# Altium PCB BRD110731.PcbDoc
Units mil, origin at the board's own origin, x right, y up, seen from the top; angles counter-clockwise.
Board outline 2710.03 x 2110.03 mil, 2 copper layers (Top Layer, Bottom Layer), stack 65.792 mil thick; 71 components, 69 nets, 226 pads, 42 vias.
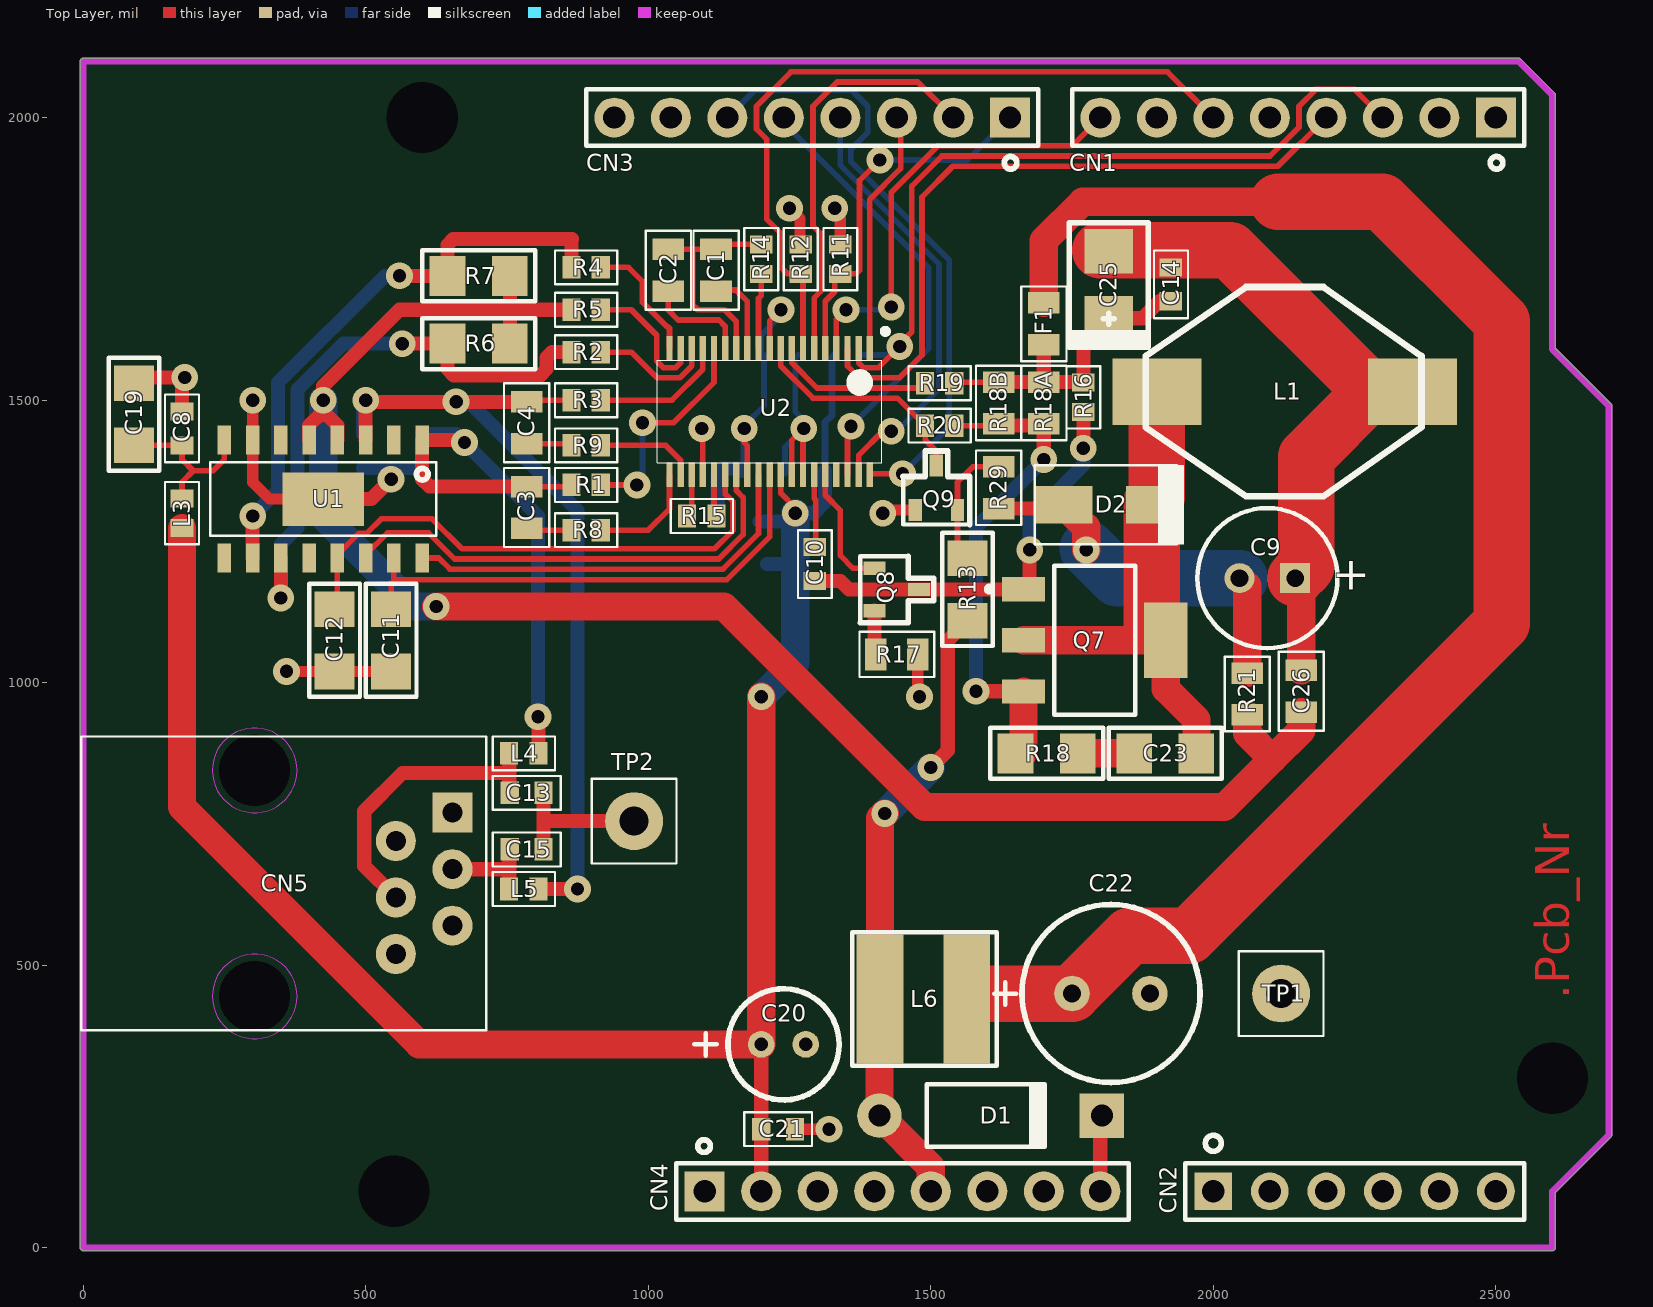
[diagram p0: Top Layer view]
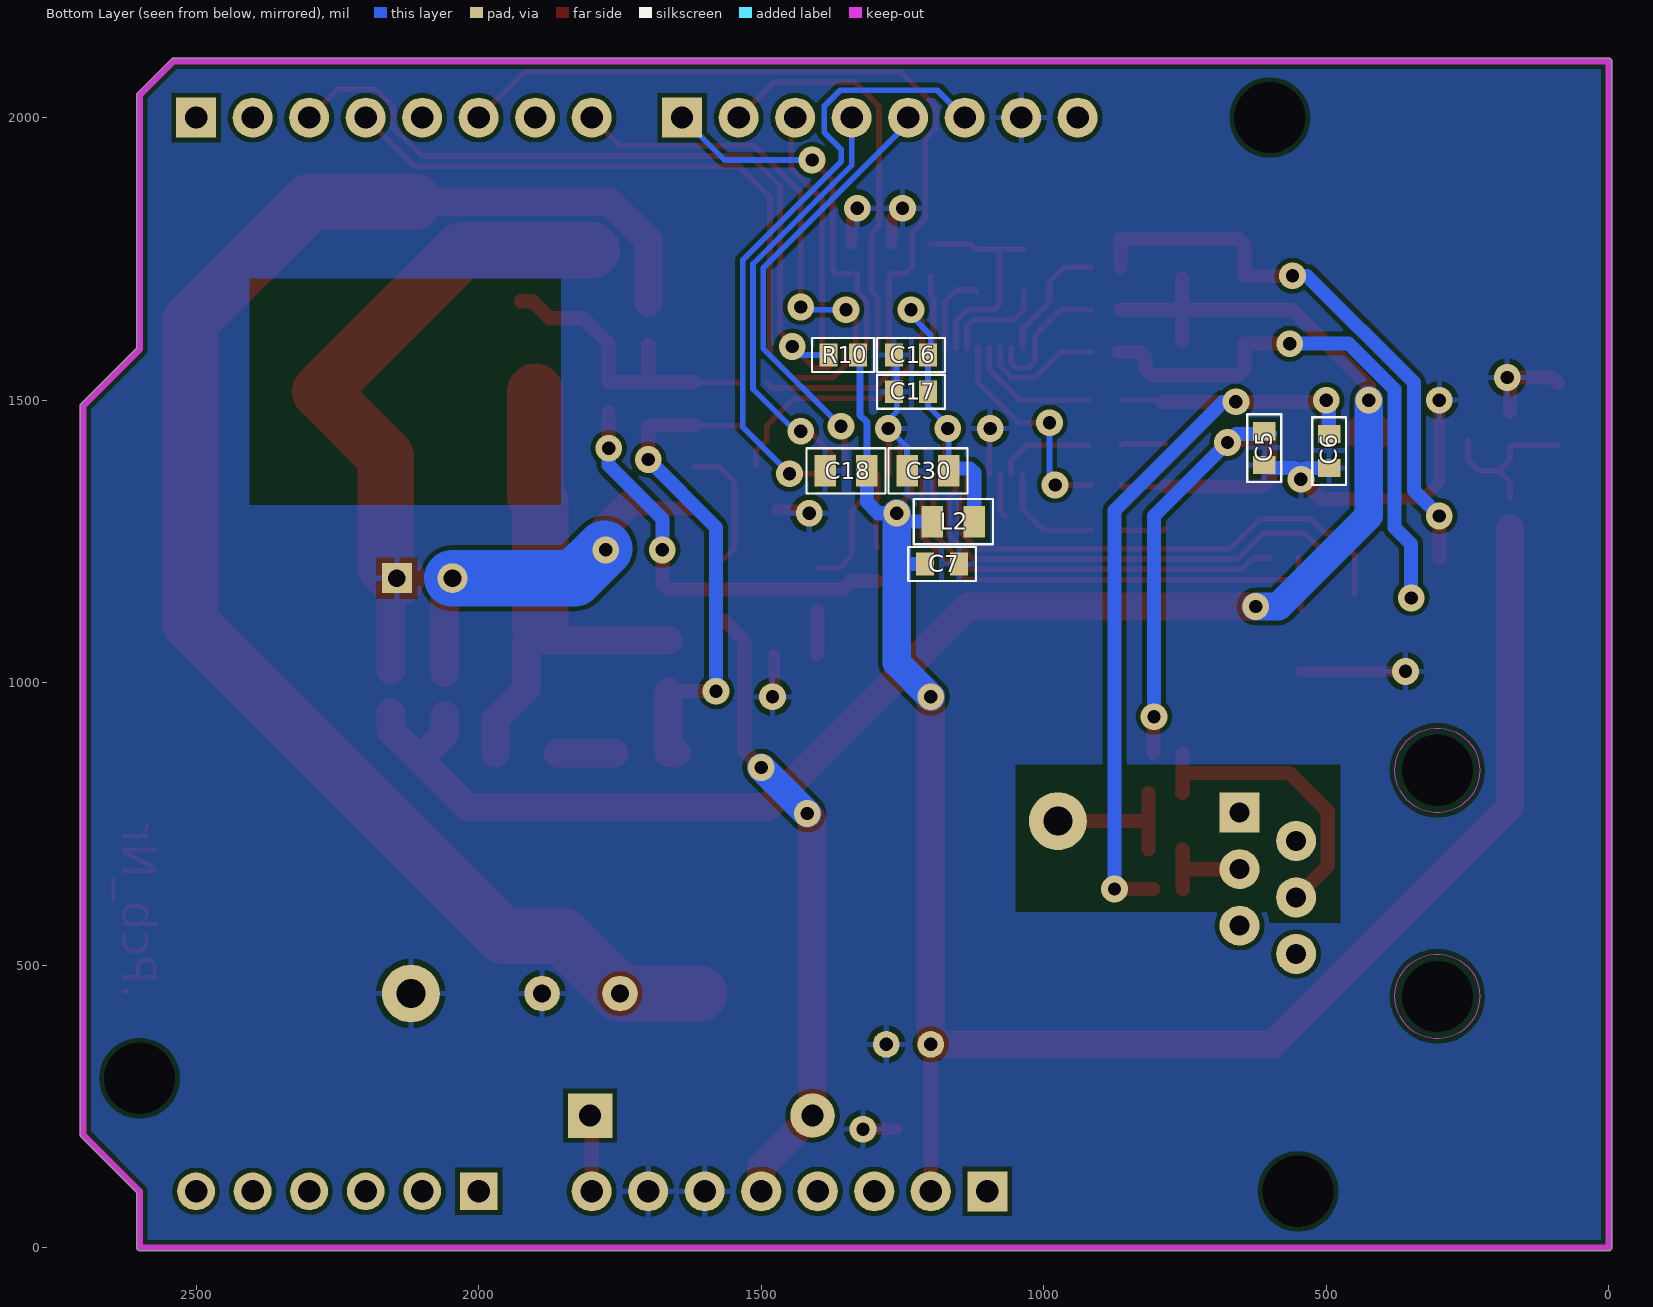
[diagram p1: Bottom Layer view, seen from below]
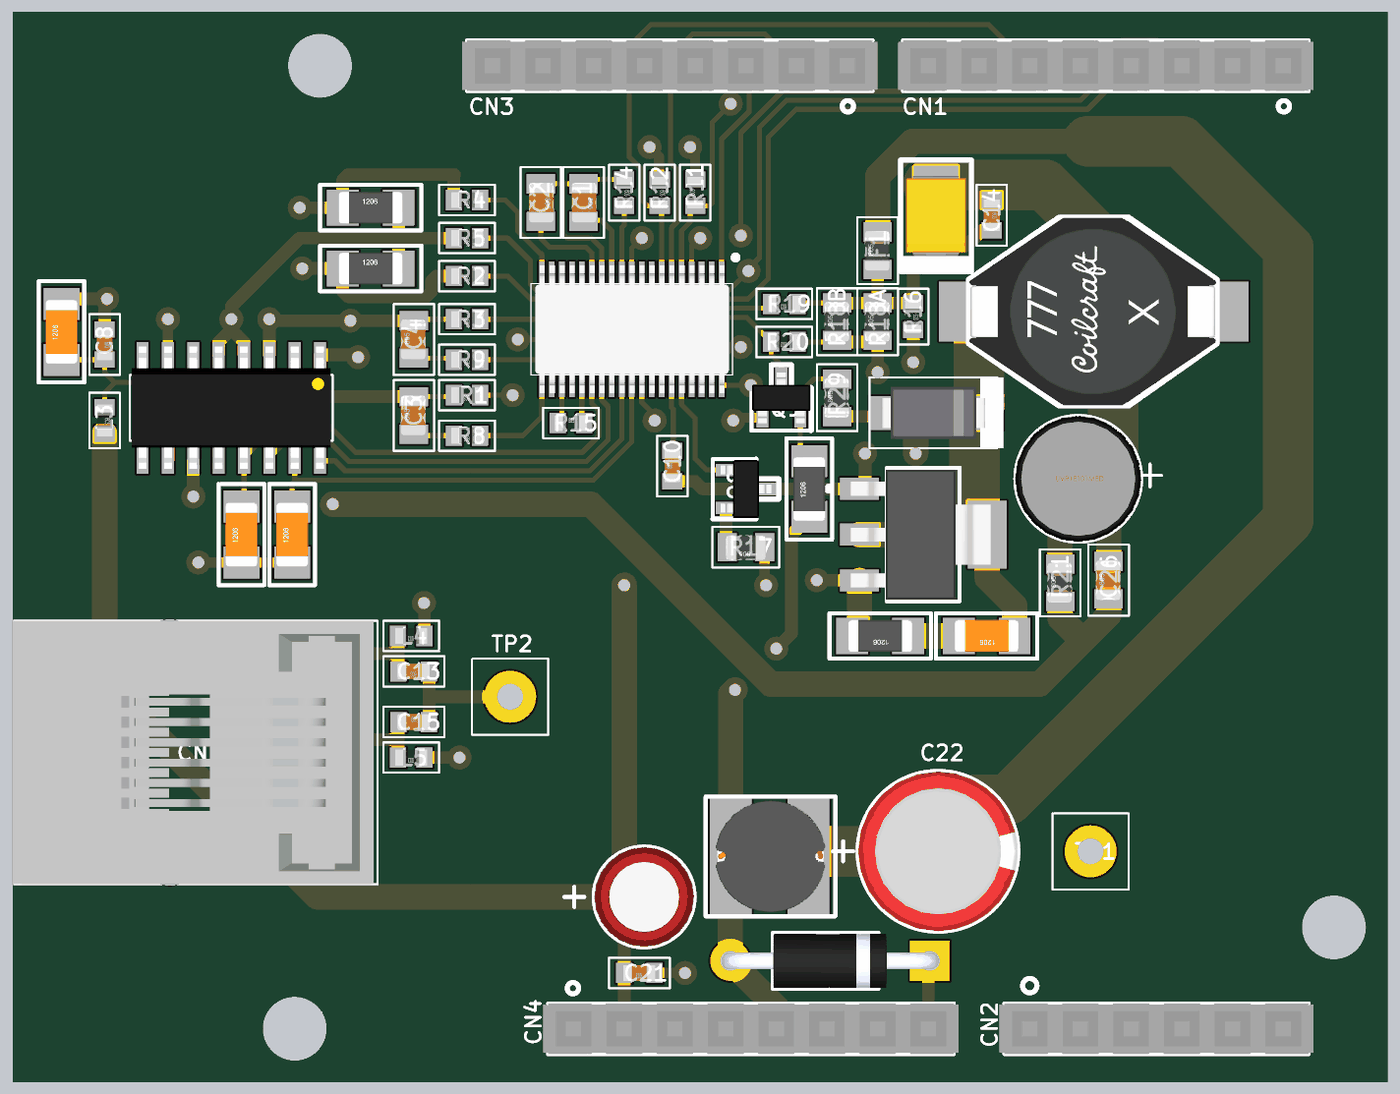
[diagram p2: 3D render of the assembled board from above, using the file's embedded part models]
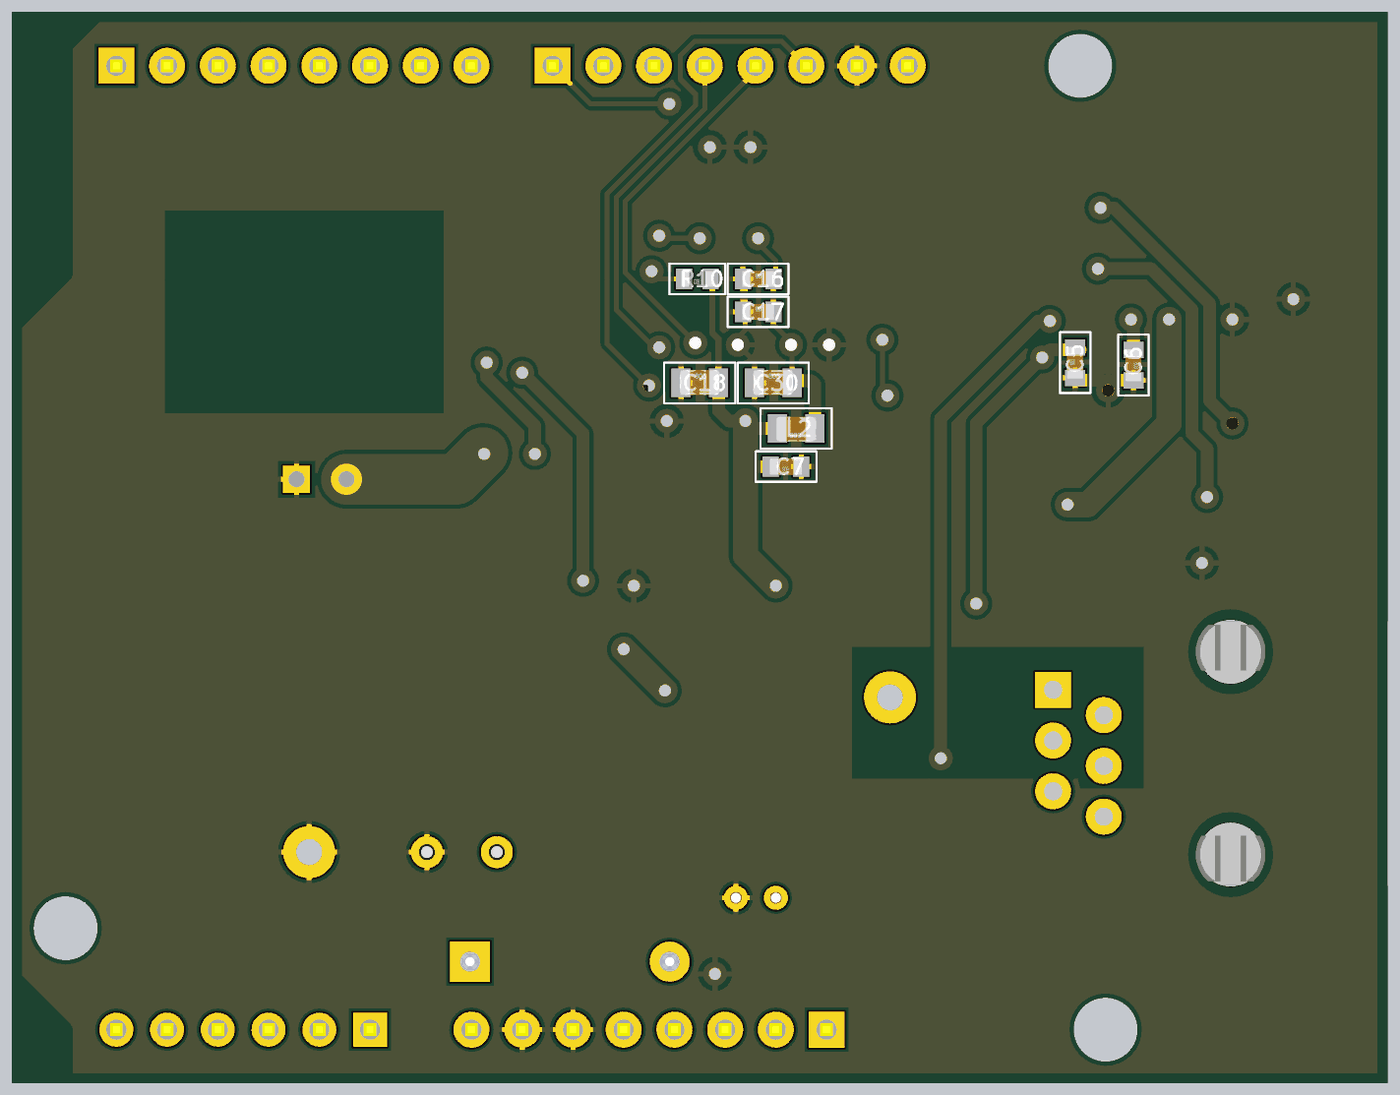
[diagram p3: 3D render of the assembled board from below, using the file's embedded part models]

## Layer stack, top to bottom
Top Layer: signal copper 1.4
Dielectric: core 62.9921, FR-4, Dk 4.8
Bottom Layer: signal copper 1.4

## Board outline
0,-5.01 2600,-5.01 ccw(c2600,0) 2605.02,0 2605.02,97.92 2703.53,196.44 ccw(c2700,200) 2705.02,200 2705.02,1490 cw(c2702.5,1490) 2705.02,1489.97 ccw(c2700,1490) 2705.02,1490 ccw(c2700,1490) 2703.53,1493.56 2703.55,1493.55 2605.02,1592.08 2605.02,2040 cw(c2602.5,2040) 2605.02,2039.97 ccw(c2600,2040) 2605.02,2040 ccw(c2600,2040) 2603.53,2043.56 2603.55,2043.55 2543.55,2103.55 2543.56,2103.53 ccw(c2540,2100) 2540,2105.02 ccw(c2540,2102.5) 2539.97,2105.02 cw(c2540,2100) 2540,2105.02 0,2105.02 ccw(c0,2100) -5.01,2100 -5.01,0 ccw(c0,0)

## Design rules (kind name [scope] priority, off if disabled: settings)
Clearance Clearance_U2 [InComponent('U2') vs InComponent('U2')] p1: gap=7.87
Clearance Clearance_1 [All] p2: gap=8
HoleSize [All] p1: absolutevalues=TRUE maxlimit=125.98 minlimit=23.62 maxpercent=80.000 minpercent=20.000
MinimumAnnularRing [All] p1: minimumring=7.87
MinimumSolderMaskSliver MinimumSolderMaskSliver_U2 [InComponent('U2') vs InComponent('U2')] p1: minsoldermaskwidth=0
MinimumSolderMaskSliver [All] p2: minsoldermaskwidth=12
PolygonConnect [All] p1: connectstyle=Relief reliefconductorwidth=10 reliefentries=4 polygonreliefangle="90 Angle" airgapwidth=10
RoutingVias [All] p1: holewidth=23.62 width=47.24 viastyle="Through Hole" minholewidth=23.62 minwidth=47.24 maxholewidth=23.62 maxwidth=47.24
SilkToSilkClearance [All] p1 off: silktosilkclearance=10
SilkscreenOverComponentPads [All] p1 off: minsilkscreentomaskgap=10
SolderMaskExpansion [All] p1: expansion=4
Width [All] p1: maxlimit=100 minlimit=10 preferedwidth=10
24 further rules are at their usual default settings.

## Components (designator, comment, footprint, x,y, rotation, side; value= is the part's Value field where it differs from the comment)
C1 "YCAM10U-1" CA_0805 1120,1730 r90 top
C2 "YCAM10U-1" CA_0805 1035.63,1730 r90 top
C3 "220n/100V" CA_0805 785,1310 r270 top
C4 "220n/100V" CA_0805 785,1460 r270 top
C5 "22n/100V" CA_0603 610,1415 r270 bottom
C6 "22n/100V" CA_0603 495,1410 r90 bottom
C7 "YCAM100N-3" CA_0603 1180,1210 r180 bottom
C8 "YCAM100N-3" CA_0603 175,1450 r90 top
C9 "10u/100V" CA_CANTHD63P25_H110_R 2095.63,1185 r180 top
C10 "YCAM100N-3" CA_0603 1295,1210 r270 top
C11 "YCAM4U7" CA_1206 545,1075 r90 top
C12 "YCAM4U7" CA_1206 445,1075 r90 top
C13 "680p/100V" CA_0603 785,805 r0 top
C14 "YCAM100N-3" CA_0603 1925,1705 r90 top
C15 "680p/100V" CA_0603 785,705 r180 top
C16 "YCAM100N-3" CA_0603 1235,1580 r0 bottom
C17 "YCAM100N-3" CA_0603 1235,1515 r0 bottom
C18 "YCAM10U-1" CA_0805 1350,1375 r0 bottom
C19 "YCAM4U7" CA_1206 90,1475 r90 top
C20 "100U/10V" CA_CANTHD50P20_H110 1200,360 r0 top
C21 "YCAM100N-3" CA_0603 1230,210 r0 top
C22 "470U/10V" CA_CANTHD80P35_H110 1750,450 r0 top
C23 "YCAM10N-5" CA_1206 1915,875 r180 top
C25 "YCAT10U-1" CA_1210_H21 1815,1645 r90 top
C26 "YCAM100N-6" CA_0805 2155.63,985 r270 top
C30 "YCAM10U-1" CA_0805 1205,1375 r0 bottom
CN1 "ESQ-108-14-G-S" CN_SAMTEC_ESQ-108-14-G-S 2500,2000 r180 top
CN2 "ESQ-106-14-G-S" CN_SAMTEC_ESQ-106-14-G-S 2000,100 r0 top
CN3 "ESQ-108-14-G-S" CN_SAMTEC_ESQ-108-14-G-S 1640,2000 r180 top
CN4 "ESQ-108-14-G-S" CN_SAMTEC_ESQ-108-14-G-S 1100,100 r0 top
CN5 "CNRJ11F1-1" CN_MODJACK_6P 355,645 r270 top
D1 "DIO1N4007" DI_DO-41 1597,234 r0 top
D2 "ES1D" DI_DO-214AC 1735,1315 r0 top
F1 "0.75A/9Vdc" RE_0805 1700,1635 r270 top
L1 "YCOL100U-1" CL_WE-PD4 1900,1515 r0 top
L2 "47uH/120mA" CL_0805 1160,1285 r180 bottom
L3 "YCOLFB600E-2" CL_0603 175,1300 r90 top
L4 "YCOLFB600E-2" CL_0603 780,875 r0 top
L5 "YCOLFB600E-2" CL_0603 780,635 r0 top
L6 "3U3/2A" CL_BOURNS_SDR0604_58x60 1410,440 r0 top
Q7 "FZT953" SC_SOT223 1790,1075 r270 top
Q8 "MMBT2222A" SC_SOT23 1440,1165 r0 top
Q9 "MMBT2222A" SC_SOT23 1510,1345 r90 top
R1 "YRES200K-1" RE_0603 890,1350 r0 top
R2 "196K/0.1%" RE_0603 890,1585 r0 top
R3 "YRES200K-1" RE_0603 890,1500 r0 top
R4 "196K/0.1%" RE_0603 890,1735 r0 top
R5 "YRES200K-1" RE_0603 890,1660 r0 top
R6 "4.02K" RE_1206 700,1600 r0 top
R7 "4.02K" RE_1206 700,1720 r0 top
R8 "YRES470-1" RE_0603 890,1270 r0 top
R9 "YRES470-1" RE_0603 890,1420 r0 top
R10 "YRES10K-1" RE_0603 1355,1580 r180 bottom
R11 "YRES10K-1" RE_0603 1340,1749.62 r270 top
R12 "YRES10K-1" RE_0603 1270,1749.62 r90 top
R13 "CRCW120637K4FKEA" RE_1206 1565,1165 r90 top
R14 "40K2" RE_0603 1200,1749.62 r90 top
R15 "243E" RE_0603 1095,1295 r180 top
R16 "YRES200E-1" RE_0603 1770,1505 r90 top
R17 "453E" RE_0805 1440,1050 r0 top
R18 "YRES10E" RE_1206 1705,875 r180 top
R18A "0E82" RE_0805 1700,1495 r270 top
R18B "0E82" RE_0805 1620,1495 r270 top
R19 "18K" RE_0603 1515.63,1530 r0 top
R20 "18K" RE_0603 1515.63,1455 r0 top
R21 "15E" RE_0805 2060,980 r270 top
R29 "453K/0.1%" RE_0805 1620,1345 r270 top
TP1 "CN001M1" CN_TP_TH_1.3mm 2120,450 r0 top
TP2 "CN001M1" CN_TP_TH_1.3mm 975,755 r0 top
U1 "Si3201-GS" SC_ESOIC16 425,1325 r180 top
U2 "SI3210-FT" SC_TSSOP38 1165.63,1480 r270 top

## Footprints (in the part's own frame and the unit in brackets; to place one, negate y for a bottom-side part, rotate by r counter-clockwise, add the part's x,y. Pads: shape width x height; smd on the part's side, far side on the other; paste and mask are expansions set on the pad)
CA_0603 [mil] "CA_0603"
  rect 32x40 smd: 1(-30,0) 2(30,0)
  silkscreen extent -60,-30 60,30, body extent -31,-16 31,16, height 12
CA_0805 [mil] "CA_0805"
  rect 38x56 smd: 1(-37,0) 2(37,0)
  silkscreen extent -70,-40 70,40, body extent -39,-26 39,24, height 31
CA_1206 [mm] "Chip Capacitor; Body 3.2 x 1.6 mm (LxW typ)"
  rect 1.6x1.8 smd: 1(-1.4,0) 2(1.4,0)
  silkscreen extent -2.54,-1.14 2.54,1.14, body extent -1.6,-0.8 1.6,0.8, height 1
CA_1210_H21 [mm] "Body 3.5 x 2.8 mm (LxW typ): EIA 3528-21"
  rect 2x2.2 smd: 1(0,0) 2(3,0)
  silkscreen extent -1.29,-1.78 4.29,1.78, body extent -0.99,-1.5 4.01,1.5, height 2.11
CA_CANTHD50P20_H110 [mm]
  round 1.2 hole 0.6: 1(0,0) 2(2,0)
  silkscreen extent -3,-2.5 3.5,2.5, body extent -1.5,-2.5 3.5,2.5, height 11
CA_CANTHD63P25_H110_R [mm] "Capacitor, Electrolytic, Radial; Body 6.3 x 11 mm (Dia.xH typ); Pin Spacing 2.5 mm (typ)"
  rect 1.35x1.35 hole 0.8: 1(-1.25,0)
  round 1.35 hole 0.8: 2(1.25,0)
  silkscreen extent -3.15,-3.15 3.15,3.15, body extent -3.16,-3.16 3.17,3.17, height 11
CA_CANTHD80P35_H110 [mm]
  round 1.6 hole 0.8: 1(0,0) 2(3.5,0)
  silkscreen extent -3.5,-4 5.75,4, body extent -2.25,-4 5.75,4, height 11.49
CL_0603 [mil] "CL_0603"
  rect 32x40 smd: 1(-26,0) 2(26,0)
  silkscreen extent -55,-30 55,30, body extent -31,-16 31,16, height 12
CL_0805 [mil] "0805 package for coil or ferrite"
  rect 38x56 smd: 1(-37,0) 2(37,0)
  silkscreen extent -70,-40 70,40, body extent -39,-26 39,24, height 31
CL_BOURNS_SDR0604_58x60 [mm]
  rect 2.1x5.8 smd: 1(0,0) 2(3.9,0)
  silkscreen extent -1.25,-3 5.25,3, body extent -0.75,-2.8 4.75,2.8, height 4.55
CL_WE-PD4 [mm] "Wuerth coil"
  rect 4x3 smd: 1(0,0) 2(11.5,0)
  silkscreen extent -0.5,-4.7 11.9,4.7, body extent -0.49,-4.7 11.89,4.7, height 5.16
CN_MODJACK_6P [mm] "Modular Jack 6C/6P"
  round 0 hole 3.2 unplated mask+1.63: 0(-5.08,-1.308) 0(5.08,-1.308)
  rect 1.8x1.8 hole 0.9: 1(-3.175,7.582)
  round 1.8 hole 0.9: 2(-1.905,5.042) 3(-0.635,7.582) 4(0.635,5.042) 5(1.905,7.582) 6(3.175,5.042)
  Multi-Layer keep-out circle w0.025: c-5.08,-1.308 r1.905
  Multi-Layer keep-out circle w0.025: c5.08,-1.308 r1.905
  silkscreen extent -6.6,-9.11 6.6,9.11, body extent -6.6,-9.19 6.61,8.91, height 11.5
CN_SAMTEC_ESQ-106-14-G-S [mm] "ESQ-106-14-G-S"
  rect 1.7x1.7 hole 1: 1(0,0)
  round 1.7 hole 1: 2(2.54,0) 3(5.08,0) 4(7.62,0) 5(10.16,0) 6(12.7,0)
  silkscreen extent -1.27,-1.27 13.97,2.52, body extent -1.52,-1.27 14.22,1.27, height 11.06
CN_SAMTEC_ESQ-108-14-G-S [mm] "ESQ-108-14-G-S"
  rect 1.8x1.8 hole 1: 1(0,0)
  round 1.8 hole 1: 2(2.54,0) 3(5.08,0) 4(7.62,0) 5(10.16,0) 6(12.7,0) 7(15.24,0) 8(17.78,0)
  silkscreen extent -1.27,-1.27 19.05,2.32, body extent -1.52,-1.27 19.3,1.27, height 11.05
CN_TP_TH_1.3mm [mm]
  round 2.6 hole 1.3: 1(0,0)
  silkscreen extent -1.91,-1.91 1.9,1.91, body extent -2.98,-2.99 3,2.99, height 1
DI_DO-41 [mm] "Diode, Axial; Body 5.2 x 2.7 mm (LxDia. max), Lead Dia. 0.86 mm (max)"
  round 2 hole 1: 1(-4.77,0)
  rect 2x2 hole 1: 2(5.23,0)
  silkscreen extent -2.65,-1.4 2.75,1.4, body extent -5.2,-1.36 5.66,1.36, height 2.72
DI_DO-214AC [mm] "SMA"
  rect 2.6x1.7 smd: 1(0,0) 2(4.1,0)
  silkscreen extent -1.3,-1.78 5.41,1.78, body extent -0.7,-1.3 4.5,1.3, height 2.4
RE_0603 [mil] "RE_0603"
  rect 32x40 smd: 1(-26,0) 2(26,0)
  silkscreen extent -55,-30 55,30, body extent -31,-16 31,16, height 12
RE_0805 [mil] "RE_0805"
  rect 38x56 smd: 1(-37,0) 2(37,0)
  silkscreen extent -66,-40 66,40, body extent -39,-26 39,24, height 31
RE_1206 [mm] "Chip Resistor; Body 3.2 x 1.6 mm (LxW typ)"
  rect 1.6x1.8 smd: 1(-1.4,0) 2(1.4,0)
  silkscreen extent -2.54,-1.14 2.54,1.14, body extent -1.6,-0.8 1.6,0.8, height 1
SC_ESOIC16 [mm] "SOIC 16 with exposed pad"
  rect 0.6x1.3 smd: 1(-4.445,-2.65) 2(-3.175,-2.65) 3(-1.905,-2.65) 4(-0.635,-2.65) 5(0.635,-2.65) 6(1.905,-2.65) 7(3.175,-2.65) 8(4.445,-2.65) 9(4.445,2.65) 10(3.175,2.65) 11(1.905,2.65) 12(0.635,2.65) 13(-0.635,2.65) 14(-1.905,2.65) 15(-3.175,2.65) 16(-4.445,2.65)
  rect 3.65x2.4 smd: 17(0,0)
  silkscreen extent -5.08,-1.65 5.08,1.65, body extent -4.98,-3.07 4.99,3.07, height 1.76
SC_SOT23 [mm] "SOT23, 3-Leads, Body 2.9x1.3mm, Pitch 0.95mm, Lead Span 2.3mm, IPC High Density"
  rect 1x0.6 smd: 1(-1,0.95) 2(-1,-0.95) 3(1,0)
  silkscreen extent -1.65,-1.5 1.65,1.5, body extent -1.27,-1.46 1.27,1.46, height 0.99
SC_SOT223 [mm] "SOT-223/SC-73; 4 Leads; Body 6.7 x 7.3 mm, inc. leads (LxW max)"
  rect 1.1x1.95 smd: 1(-2.3,-3.2) 2(0,-3.2) 3(2.3,-3.2)
  rect 3.4x1.95 smd: 4(0,3.2)
  silkscreen extent -3.35,-4.85 3.35,1.83, body extent -3.25,-3.63 3.25,3.37, height 1.62
SC_TSSOP38 [mm] "TSSOP38"
  rect 1.1x0.285 smd: 1(-2.85,5.75) 2(-2.85,5.25) 3(-2.85,4.75) 4(-2.85,4.25) 5(-2.85,3.75) 6(-2.85,3.25) 7(-2.85,2.75) 8(-2.85,2.25) 9(-2.85,1.75) 10(-2.85,1.25) 11(-2.85,0.75) 12(-2.85,0.25) 13(-2.85,-0.25) 14(-2.85,-0.75) 15(-2.85,-1.25) 16(-2.85,-1.75) 17(-2.85,-2.25) 18(-2.85,-2.75) 19(-2.85,-3.25) 20(2.85,-3.25) 21(2.85,-2.75) 22(2.85,-2.25) 23(2.85,-1.75) 24(2.85,-1.25) 25(2.85,-0.75) 26(2.85,-0.25) 27(2.85,0.25) 28(2.85,0.75) 29(2.85,1.25) 30(2.85,1.75) 31(2.85,2.25) 32(2.85,2.75) 33(2.85,3.25) 34(2.85,3.75) 35(2.85,4.25) 36(2.85,4.75) 37(2.85,5.25) 38(2.85,5.75)
  silkscreen extent -3.72,-3.8 2.3,6.58, body extent -3.2,-3.58 3.2,6.12, height 0.98

## Part data
C3 C4: library part MCCA000493
C5 C6: library part C0603C223K1RACTU
C9: library part 100YXF10MEFC6.3X11
C13 C15: library part C0603C681J1GACTU
C20: library part MCGPR10V107M5X11
C22: library part MCGPR10V477M8X11
CN1 CN2 CN3 CN4: "*"
D1 D2: "1 Amp General Purpose Rectifier"
F1: library part MC36210
L2: library part L0805C470MDWIT
L6: library part MCSDC0604-3R3MU
Q7 Q8 Q9: "Amplifier Transistor NPN Silicon"
R1 R3 R5 R8 R9 R10 R11 R12 R13 R16 R18: "Resistor"
R2 R4: library part ERA3AEB1963V, "Resistor"
R6 R7: library part CRCW12064K02FKEA, "Resistor"
R14: library part "MC 0.063W 0603 1% 40K2", "Resistor"
R15: library part "MC 0.063W 0603 1% 243R", "Resistor"
R17: library part MCTC0525B4530T5E, "Resistor"
R18A R18B: library part ERJ6RQFR82V, "Resistor"
R19 R20: library part SG73S1JTTD1802F, "Resistor"
R21: library part SG73P2ATTD15R0F, "Resistor"
R29: library part MCTC0525B4533T5E, "Resistor"

## Free pads (board coordinates)
  round 0 hole 125.98 unplated mask+62.99: 0(550,100) 0(600,2000) 0(2600,300)

## Via types
v1: diameter 47.24, hole 23.62, Top Layer to Bottom Layer, tented both sides, 42 vias

## Nets (pads, with @x,y where several pads share a name; then routed paths per layer and width w, separated by ;. In a path a pad name is that pad's centre, name@x,y a point inside that pad or via, vN(x,y) a via of type N, cw(c..) or ccw(c..) an arc to the next point about the centre after c; other vN are vias at no path point)
+5V: CN4.5 D1.1 L6.1 R13.1 | length 1112
  Top Layer w25: v1(1500,850) 1530,880 1530,1074.88 R13.1
  Top Layer w50: v1(1418.51,768.51) 1410,760 L6.1 1409.2,439.2 D1.1 1500,143.2 CN4.5
  Bottom Layer w50: v1(1418.51,768.51) v1(1500,850)
A: C13.1 CN5.4 L4.1 | length 530.5
  Top Layer w25: CN5.4 497.57,675.93 497.57,772.57 565,840 754,840 ; L4.1 754,840 ; C13.1 754,806 754,840
AIN0: CN2.1
AIN1: CN2.2
AIN2: CN2.3
AIN3: CN2.4
AIN4: CN2.5
AIN5: CN2.6
B: C15.2 CN5.3 L5.1 | length 170.9
  Top Layer w25: CN5.3 754,670 ; L5.1 754,670 ; C15.2 754,704 754,670
GND: C5.2 C6.1 C7.2 C8.2 C9.1 C11.1 C12.1 C14.2 C16.2 C17.2 C18.2 C19.2 C20.2 C21.2 C22.2 C25.2 C26.1 C30.2 CN3.7 CN4.6 CN4.7 L1.2 Q9.1 R11.1 R12.2 R17.2 TP1.1 U1.7 U1.17 U2.23 U2.31 U2.32 | length 2811.8
  Top Layer w10: v1(1095,1450) 1096.73,1448.27 U2.23 ; U2.31 1254.21,1429.21 v1@1273.9,1448.9 ; U2.32 v1@1273.9,1448.9 ; v1(1275,1450) v1@1273.9,1448.9
  Top Layer w20: v1@300,1490 U1.7 300,1355 330,1325 U1.17 ; v1@360,1019.88 C12.1 C11.1 ; v1(1250,1839.62) 1268.57,1821.05 1268.57,1777.05 R12.2 ; C21.2 v1(1320,210) ; v1(1330,1839.62) 1330,1834.62 1340,1824.62 R11.1 ; v1(1415,1300) 1420.63,1305.63 Q9.1 ; R17.2 1477,988 v1@1480,985
  Top Layer w25: C19.2 99.88,1540 v1(180,1540) 175,1535 C8.2 ; U1.17 510,1325 v1(545,1360)
  Top Layer w50: C9.1 2155.63,1174.21 C26.1
  Top Layer w100: C25.2@1800,1765 2030,1765 2280,1515 2164.84,1399.84 2164.84,1205 C9.1
  Bottom Layer w10: C30.2@1242,1370 C30.2 1242,1417 v1(1275,1450) 1275,1465 1260,1480 1260,1575 C16.2
  Bottom Layer w25: C6.1 535,1380 545,1370 555,1380 C5.2@600,1380
  other v1: 1480,975 360,1020 300,1500
NetC1_1: C1.1 U2.12 | length 147.1
  Top Layer w10: C1.1 1122,1695 1155,1695 1175.47,1674.53 U2.12
NetC1_2: C1.2 C2.2 R14.2 U2.13 | length 397.4
  Top Layer w10: C2.2 1078,1767 1080,1765 ; 1130,1660 1087.62,1660 1079,1668.62 1079,1764 1080,1765 ; 1135,1660 1155.79,1639.21 U2.13 ; R14.2 1128.62,1775.62 C1.2 1082,1767 1080,1765
NetC2_1: C2.1 U2.14 | length 184.2
  Top Layer w10: 1035,1660 1053,1642 1125,1642 1136.1,1630.9 U2.14 ; 1035.63,1660.63 C2.1
NetC3_1: C3.1 C5.1 L4.2 R1.1 U1.1 | length 1100.8
  Top Layer w10: C3.1 861,1347 R1.1
  Top Layer w25: v1(675,1425) 670.67,1429.33 U1.1 600,1360 613,1347 C3.1 ; L4.2 v1@806,934
  Bottom Layer w25: C5.1@600,1440 660,1440 v1(675,1425) 805,1295 v1@805,935
  other v1: 805,940
NetC3_2: C3.2 R8.1 | length 80.2
  Top Layer w10: C3.2 788,1270 R8.1
NetC4_1: C4.1 C6.2 L5.2 R3.1 U1.3 | length 1527.7
  Top Layer w10: C4.1@788,1500 R3.1
  Top Layer w25: U1.3 v1(500,1500) 503,1497 v1(660,1497) C4.1@790,1497 ; L5.2 v1@865,635
  Bottom Layer w25: C6.2 495,1495 v1(500,1500) ; v1(660,1497) 683,1497 875,1305 875,645 v1@865,635
  other v1: 875,635
NetC4_2: C4.2 R9.1 | length 80.2
  Top Layer w10: C4.2 861,1423 R9.1
NetC8_1: C8.1 C19.1 L3.2 U1.8 | length 293.2
  Top Layer w10: C19.1 90.12,1420 C8.1 175,1395 195,1375 ; L3.2 175,1355 195,1375 ; U1.8 250,1395 230,1375 195,1375
NetC9_2: C9.2 D2.1 R21.1 R29.2 | length 678.8
  Top Layer w25: R29.2 1728,1308 D2.1
  Top Layer w50: D2.1 1775,1275 v1(1775,1235) ; C9.2 2060,1171.42 R21.1
  Bottom Layer w100: v1@1777.5,1237.5 1830,1185 C9.2
NetC10_1: C10.1 U2.33 | length 129.7
  Top Layer w10: U2.33 1293.58,1325.96 1296.62,1322.92 1296.62,1241.62 C10.1
NetC10_2: C10.2 Q7.1 Q8.3 R16.1 | length 732.8
  Top Layer w25: C10.2 1305,1180 1340,1180 1355,1165 Q8.3 1663.46,1165 Q7.1 1675,1176.54 v1@1675,1225 ; v1(1770,1415) R16.1
  Bottom Layer w25: v1@1675,1225 1675,1290 1770,1385 v1(1770,1415)
  other v1: 1675,1235
NetC11_2: C11.2 U1.15 U2.29 | length 896.9
  Top Layer w10: C11.2 545,1175.28 550,1180.28 U1.15 ; 551.8,1182.08 1138.83,1182.08 1214.84,1258.09 U2.29
NetC12_2: C12.2 U1.13 U2.25 | length 937.3
  Top Layer w10: C12.2@450,1154.88 U1.13 450,1226.46 488.3,1264.76 502.24,1264.76 527.48,1290 617.62,1290 670.62,1237 1117.38,1237 1150,1269.62 1150,1320.38 1136.1,1334.28 U2.25
NetC14_1: C14.1 C25.1 F1.2 R16.2 R18A.1 R18B.1 R19.2 | length 550.7
  Top Layer w10: R19.2 1543.63,1532 R18B.1
  Top Layer w25: R18B.1 R18A.1 ; F1.2 R18A.1 ; C14.1 1905,1675 1875,1645 C25.1 1770,1600 R16.2 1769,1532 R18A.1
NetC16_1: C16.1 C17.1 C30.1 L2.2 U2.10 U2.27 | length 591.3
  Top Layer w10: 1170,1425 1175.47,1419.53 U2.27 ; U2.10 1214.84,1639.84 v1(1235,1660)
  Bottom Layer w10: C30.1 v1@1168,1450 ; v1@1170,1435 1170,1455 1205,1490 C17.1 C16.1 ; C16.1@1200,1580 1200,1615 v1@1235,1650
  Bottom Layer w25: L2.2 1123,1371.75 1130.63,1379.37 1163.63,1379.37 C30.1
  other v1: 1170,1450
NetC22_1: C22.1 F1.1 L6.2 | length 2742.5
  Top Layer w50: F1.1 1700,1782.38 1768.62,1851 2115,1851
  Top Layer w100: 1610,450 C22.1 1852,552 1957,552 2510,1105 2510,1640 2299,1851 2115,1851
NetC23_1: C23.1 D2.2 L1.1 Q7.2 Q7.4 | length 893.4
  Top Layer w50: Q7.2 Q7.4 1915.98,989.02 1970.12,934.88 C23.1
  Top Layer w100: Q7.4@1891.42,1099.57 1891.42,1320 1900,1328.58 L1.1
NetC23_2: C23.2 R18.1 | length 99.8
  Top Layer w50: R18.1 C23.2
NetCN1_1: CN1.1
NetCN1_2: CN1.2
NetCN1_3: CN1.3 R10.1 U2.2 | length 1426.1
  Top Layer w10: U2.2 1372.32,1566.24 1381.01,1557.55 1407.55,1557.55 v1(1445,1595) ; v1@1442.73,1597.27 1466.62,1621.17 1466.62,1878.92 1519.7,1932 2100.49,1932 2151.57,1983.07 2151.57,2020.06 2181.51,2050 2250,2050 CN1.3
  Bottom Layer w10: R10.1 1430,1580 v1(1445,1595)
NetCN1_4: CN1.4 U2.3 | length 1242.5
  Top Layer w10: U2.3 1352.64,1560.47 1373.56,1539.55 1444.55,1539.55 1484.62,1579.62 1484.62,1859.62 1539,1914 2114,1914 CN1.4
NetCN1_5: CN1.5
NetCN1_6: CN1.6 R12.1 U2.7 | length 1338.6
  Top Layer w10: U2.7 R12.1@1273.9,1715.1 ; R12.1@1273.9,1719.72 R12.1 1246,1723.62 1233,1736.62 1233,1797 1210,1820 1210,1961.51 1191.57,1979.94 1191.57,2020.06 1252.51,2081 1919,2081 CN1.6
NetCN1_7: CN1.7
NetCN1_8: CN1.8 U2.4 | length 784.5
  Top Layer w10: U2.4 1332.95,1642.95 v1(1350,1660) ; v1(1430,1665) 1430,1867.75 1512.25,1950 1750,1950 CN1.8
  Bottom Layer w10: v1(1350,1660) 1425,1660 v1(1430,1665)
NetCN3_1: CN3.1 R11.2 U2.5 | length 646.2
  Top Layer w10: U2.5 1313.27,1675.06 1330,1691.79 R11.2@1330,1723.62 ; R11.2 1368.01,1723.62 1374.01,1729.62 1374.01,1889.01 v1(1410,1925)
  Bottom Layer w10: v1(1410,1925) 1565,1925 CN3.1
NetCN3_2: CN3.2 U2.6 | length 725.8
  Top Layer w10: U2.6 1293.58,1680.83 1305,1692.25 ; 1305,1696.86 1305,1795 1291.57,1808.43 1291.57,1865 1291.57,2020.06 1334.51,2063 1477,2063 CN3.2
NetCN3_3: CN3.3 U2.1 | length 433.2
  Top Layer w10: U2.1 1392.01,1855.22 1446.62,1909.83 1446.62,1993.38 CN3.3
NetCN3_4: CN3.4 U2.37 | length 775.2
  Top Layer w10: U2.37 1372.32,1402.32 1415,1445 v1(1430,1445)
  Bottom Layer w10: CN3.4 1340,1915.45 1514.62,1740.83 1514.62,1519.62 v1@1435,1440
NetCN3_5: CN3.5 U2.36 | length 812.3
  Top Layer w10: U2.36 1352.64,1447.64 1365,1460 v1@1360,1465
  Bottom Layer w10: CN3.5 1240,1990 1496.62,1733.38 1496.62,1591.62 1365,1460 v1@1360,1465
  other v1: 1358.82,1453.82
NetCN3_6: CN3.6 U2.38 | length 1108.2
  Top Layer w10: U2.38 1393.97,1369.76 v1(1450,1369.76)
  Bottom Layer w10: CN3.6 1188.43,2048.43 1360.06,2048.43 1388.43,2020.06 1388.43,1973.89 1379.83,1965.29 1358.38,1943.83 1358.38,1922.53 1532.62,1748.29 1532.62,1452.38 v1(1450,1369.76)
NetCN3_8: CN3.8
NetCN4_3: CN4.3
NetCN4_4: CN4.4
NetCN4_8: CN4.8 D1.2 | length 135.2
  Top Layer w25: CN4.8 1800,231.09 D1.2
NetQ7_3: Q7.3 R18.2 R18A.2 R18B.2 R20.2 | length 864.5
  Top Layer w10: R20.2 R18B.2@1617,1455
  Top Layer w25: v1@1590,985 1663.46,985 Q7.3 ; R18B.2@1617,1455 1697,1455 1700,1452 v1(1700,1395)
  Top Layer w50: R18.2@1649.02,875.87 R18.2 ; R18.2@1664.02,875.87 Q7.3
  Bottom Layer w25: v1@1590,985 1580,995 1580,1275 v1(1700,1395)
  other v1: 1580,985
NetQ8_1: Q8.1 U2.34 | length 223.9
  Top Layer w10: U2.34 1313.27,1331.73 1340,1305 1340,1225 1362.6,1202.4 Q8.1
NetQ8_2: Q8.2 R17.1 | length 78.6
  Top Layer w25: Q8.2 1400.63,1052.37 R17.1
NetQ9_2: Q9.2 R13.2 R29.1 | length 226
  Top Layer w10: R13.2 1547.4,1237.72 Q9.2 1547.4,1355 1574.4,1382 R29.1
NetQ9_3: Q9.3 R20.1 U2.9 | length 409.6
  Top Layer w10: U2.9 1234.53,1560.47 1291.45,1503.55 1441.08,1503.55 R20.1 1490,1454.63 1490,1430 1510,1410 Q9.3
NetR1_2: R1.2 U2.15 | length 394.9
  Top Layer w10: R1.2 v1(980,1350) ; v1(990,1460) 1045,1460 1116.42,1531.42 U2.15
  Bottom Layer w10: v1(980,1350) 990,1360 v1(990,1460)
NetR2_1: R2.1 R6.1 U1.11 | length 1053
  Top Layer w25: v1(350,1150) U1.11 ; v1(565,1600) R6.1 644.88,1555.12 655.93,1544.07 809.07,1544.07 820,1555 820,1575 830,1585 R2.1@869,1585
  Bottom Layer w25: v1(350,1150) 350,1245.5 379.5,1275 379.5,1518.85 460.65,1600 v1(565,1600)
NetR2_2: R2.2 U2.17 | length 220.3
  Top Layer w10: R2.2 970,1585 1015.45,1539.55 1056.13,1539.55 1077.05,1560.47 U2.17
NetR3_2: R3.2 U2.16 | length 235.9
  Top Layer w10: R3.2@921,1500 1042.03,1500 1096.73,1554.7 U2.16
NetR4_1: R4.1 R7.1 U1.10 | length 1046.8
  Top Layer w25: U1.10 v1(300,1295) ; v1(560,1720) R7.1 644.88,1774.88 655,1785 865,1785 864,1784 R4.1
  Bottom Layer w25: v1@300,1285 v1(300,1295) 345,1340 345,1531.02 533.98,1720 v1(560,1720)
NetR4_2: R4.2 U2.19 | length 217.9
  Top Layer w10: R4.2 960,1735 ; 965,1735 990,1710 990,1673.25 1033.25,1630 1035,1630 1037.68,1627.32 U2.19
NetR5_2: R5.2 U2.18 | length 240.2
  Top Layer w10: R5.2 970,1660 1015,1615 1015,1569.23 1026.68,1557.55 1048.67,1557.55 1057.36,1566.24 U2.18
NetR8_2: R8.2 U2.20 | length 197.4
  Top Layer w10: R8.2 1000,1270 1037.68,1307.68 U2.20
NetR9_2: R9.2 U2.21 | length 173.2
  Top Layer w10: R9.2@921,1420 1031.12,1420 1057.36,1393.76 U2.21
NetR14_1: R14.1 U2.11 | length 128.8
  Top Layer w10: U2.11 1195.16,1680.16 1200,1685 R14.1@1200,1719
NetR15_1: R15.1 U2.24 | length 74.7
  Top Layer w10: U2.24 1116.42,1299.58 R15.1
NetR15_2: R15.2 U2.22 | length 76.1
  Top Layer w10: R15.2 1077.05,1303.05 U2.22
NetR19_1: R19.1 U2.8 | length 283.4
  Top Layer w10: U2.8 1254.21,1566.24 1298.9,1521.55 1481.18,1521.55 R19.1
NetU1_14: U1.14 U2.26 | length 837.4
  Top Layer w10: U1.14 500,1226.46 538.54,1265 611.46,1265 657.46,1219 1124.84,1219 1168,1262.16 1168,1327.84 1155.79,1340.05 U2.26
NetU1_16: U1.16 U2.28 | length 733.3
  Top Layer w10: U1.16 629.33,1220.67 649,1201 1132.3,1201 1195.16,1263.86 U2.28
PE: C13.2 C15.1 TP2.1 | length 260
  Top Layer w25: C15.1 815,755 ; C13.2 815,755 ; TP2.1 815,755
VBAT: C26.2 R5.1 R6.2 R7.2 R21.2 U1.4 U1.5 | length 3106.1
  Top Layer w25: U1.5 400,1455 v1@425,1480 ; U1.4 450,1455 v1@425,1480 ; R6.2@755.12,1605 755.12,1660 ; R7.2@755.12,1715 755.12,1660 ; R5.1 755.12,1660 ; v1@425,1480 v1(425,1500) 425,1525 560,1660 755.12,1660
  Top Layer w50: v1(625,1135) 1134.05,1135 1489.05,780 2020,780 2105,865 ; R21.2 2060,910 2105,865 ; C26.2 2155.63,915.63 2105,865
  Bottom Layer w50: v1(425,1500) 425,1295 585,1135 v1(625,1135)
VDD: C7.1 C18.1 C20.1 C21.1 CN4.2 L2.1 L3.1 R10.2 U2.30 | length 3461.7
  Top Layer w10: U2.30 1234.53,1335.47 v1@1260,1310
  Top Layer w25: CN4.2 C21.1 C20.1
  Top Layer w50: L3.1 175,780 595,360 C20.1 v1(1200,975)
  Bottom Layer w10: 1235,1285 v1@1255,1305
  Bottom Layer w12: C18.1 1313,1461.21 1325,1473.21 1325,1576 R10.2
  Bottom Layer w25: L2.1 1235,1285 1245,1285 v1(1260,1300) 1293.28,1300 1313,1319.72 C18.1 ; C7.1 1260,1210
  Bottom Layer w50: v1(1200,975) 1260,1035 1260,1210 v1(1260,1300)
pads on no net: CN4.1 CN5.0 CN5.1 CN5.2 CN5.5 CN5.6 U1.2 U1.6 U1.9 U1.12 U2.35

## Polygon pours and split planes (outlines as drawn)
GND on Bottom Layer "GND_BOT" (solid, remove dead copper, pour order 2): 0,0 0,2100 2540,2100 2600,2040 2600,1590 2700,1490 2700,200 2600,100 2600,0

## Keep-outs
Keep-Out Layer:
  lines w12: 0,0 0,2100 2540,2100 2600,2040 2600,1590 2700,1490 2700,200 2600,100 2600,0 0,0

## Other copper
Top Layer:
  text ".Pcb_Nr" at 2630,440 h60 r90
Bottom Layer:
  pour cut-out: 475,855 1050,855 1050,595 605,595 600,575 475,575
  pour cut-out: 1855,1715 2405,1715 2405,1315 1855,1315

## Silkscreen, mask and mechanical layers (free items; w line width, h text height)
PcbOutline:
  lines w10: 0,0 2600,0 2600,100 2700,200 2700,1490 2600,1590 2600,2040 2540,2100 0,2100 0,0
Mechanical 16:
  drawing of 4360 lines, arcs and shapes, not listed
  text "A" at 4656.5,3700.5 h70 r90
  text "D" at -993.5,3650.5 h70 r270
  text "C" at 881.5,3650.5 h70 r270
  text "B" at 2681.5,3650.5 h70 r270
  text "2" at -1843.5,2325.5 h70 r90
  text "2" at 5556.5,2325.5 h70 r90
  text "1" at -1843.5,-524.5 h70 r90
  text "1" at 5556.5,-524.5 h70 r90
  text "ENGINEER:" at 971.5,-667.5 h45
  text "TITLE:" at 2471.5,-667.5 h45
  text ".ProjectName" at 2756.5,-927.5 h98.43
  text "PCB DESIGNER:" at 971.5,-962.5 h45
  text ".DrawnByX" at 1531.5,-1082.5 h98.43
  text "DATE:" at 971.5,-1267.5 h45
  text "PART NO.:" at 2471.5,-1267.5 h45
  text "REV:" at 4571.5,-1267.5 h45
  text ".PRINT_DATE" at 1021.5,-1387.5 h70
  text ".RevisionNR" at 4609.5,-1442.5 h98.43
  text "FILE NAME:" at 971.5,-1567.5 h45
  text "DWG NO:" at 2471.5,-1567.5 h45
  text "SCALE:" at 4571.5,-1567.5 h45
  text ".PCB_FILE_NAME_NO_PATH" at 1021.5,-1687.5 h70
  text ".PCB_Nr" at 2781.5,-1699.5 h98.43
  text "D" at -1111.5,-1893.5 h70 r270
  text "C" at 778.5,-1893.5 h70 r270
  text "B" at 2688.5,-1893.5 h70 r270
  text "A" at 4656.5,-1899.5 h70 r90
Mechanical 17:
  drawing of 4360 lines, arcs and shapes, not listed
  text "A" at -1013.5,3700.5 h70 r270
  text "B" at 961.5,3650.5 h70 r90
  text "C" at 2761.5,3650.5 h70 r90
  text "D" at 4636.5,3650.5 h70 r90
  text "2" at -1913.5,2325.5 h70 r270
  text "2" at 5486.5,2325.5 h70 r270
  text "1" at -1913.5,-524.5 h70 r270
  text "1" at 5486.5,-524.5 h70 r270
  text "TITLE:" at 1171.5,-667.5 h45
  text "ENGINEER:" at 2671.5,-667.5 h45
  text ".ProjectName" at 886.5,-927.5 h98.43
  text "PCB DESIGNER:" at 2671.5,-962.5 h45
  text ".DrawnByX" at 2131.5,-1074.5 h98.43
  text "REV:" at -928.5,-1267.5 h45
  text "PART NO.:" at 1171.5,-1267.5 h45
  text "DATE:" at 2671.5,-1267.5 h45
  text ".PRINT_DATE" at 2621.5,-1387.5 h70
  text ".RevisionNR" at -966.5,-1442.5 h98.43
  text "SCALE:" at -928.5,-1567.5 h45
  text "DWG NO:" at 1171.5,-1567.5 h45
  text "FILE NAME:" at 2671.5,-1567.5 h45
  text ".PCB_FILE_NAME_NO_PATH" at 2621.5,-1687.5 h70
  text ".PCB_Nr" at 861.5,-1699.5 h98.43
  text "B" at 954.5,-1893.5 h70 r90
  text "C" at 2864.5,-1893.5 h70 r90
  text "D" at 4754.5,-1893.5 h70 r90
  text "A" at -1013.5,-1899.5 h70 r270

## Dimensions
0,2100 to 2705.02,1489.97 on Measures
0,0 to 0,2105.02 on Measures

## Text inside footprints (layer, text, board x,y; h text height)
C9: Top Overlay "+" at 2277.72,1214.53 h59.06 r180